# KiCad board PC110.kicad_pcb (continued)
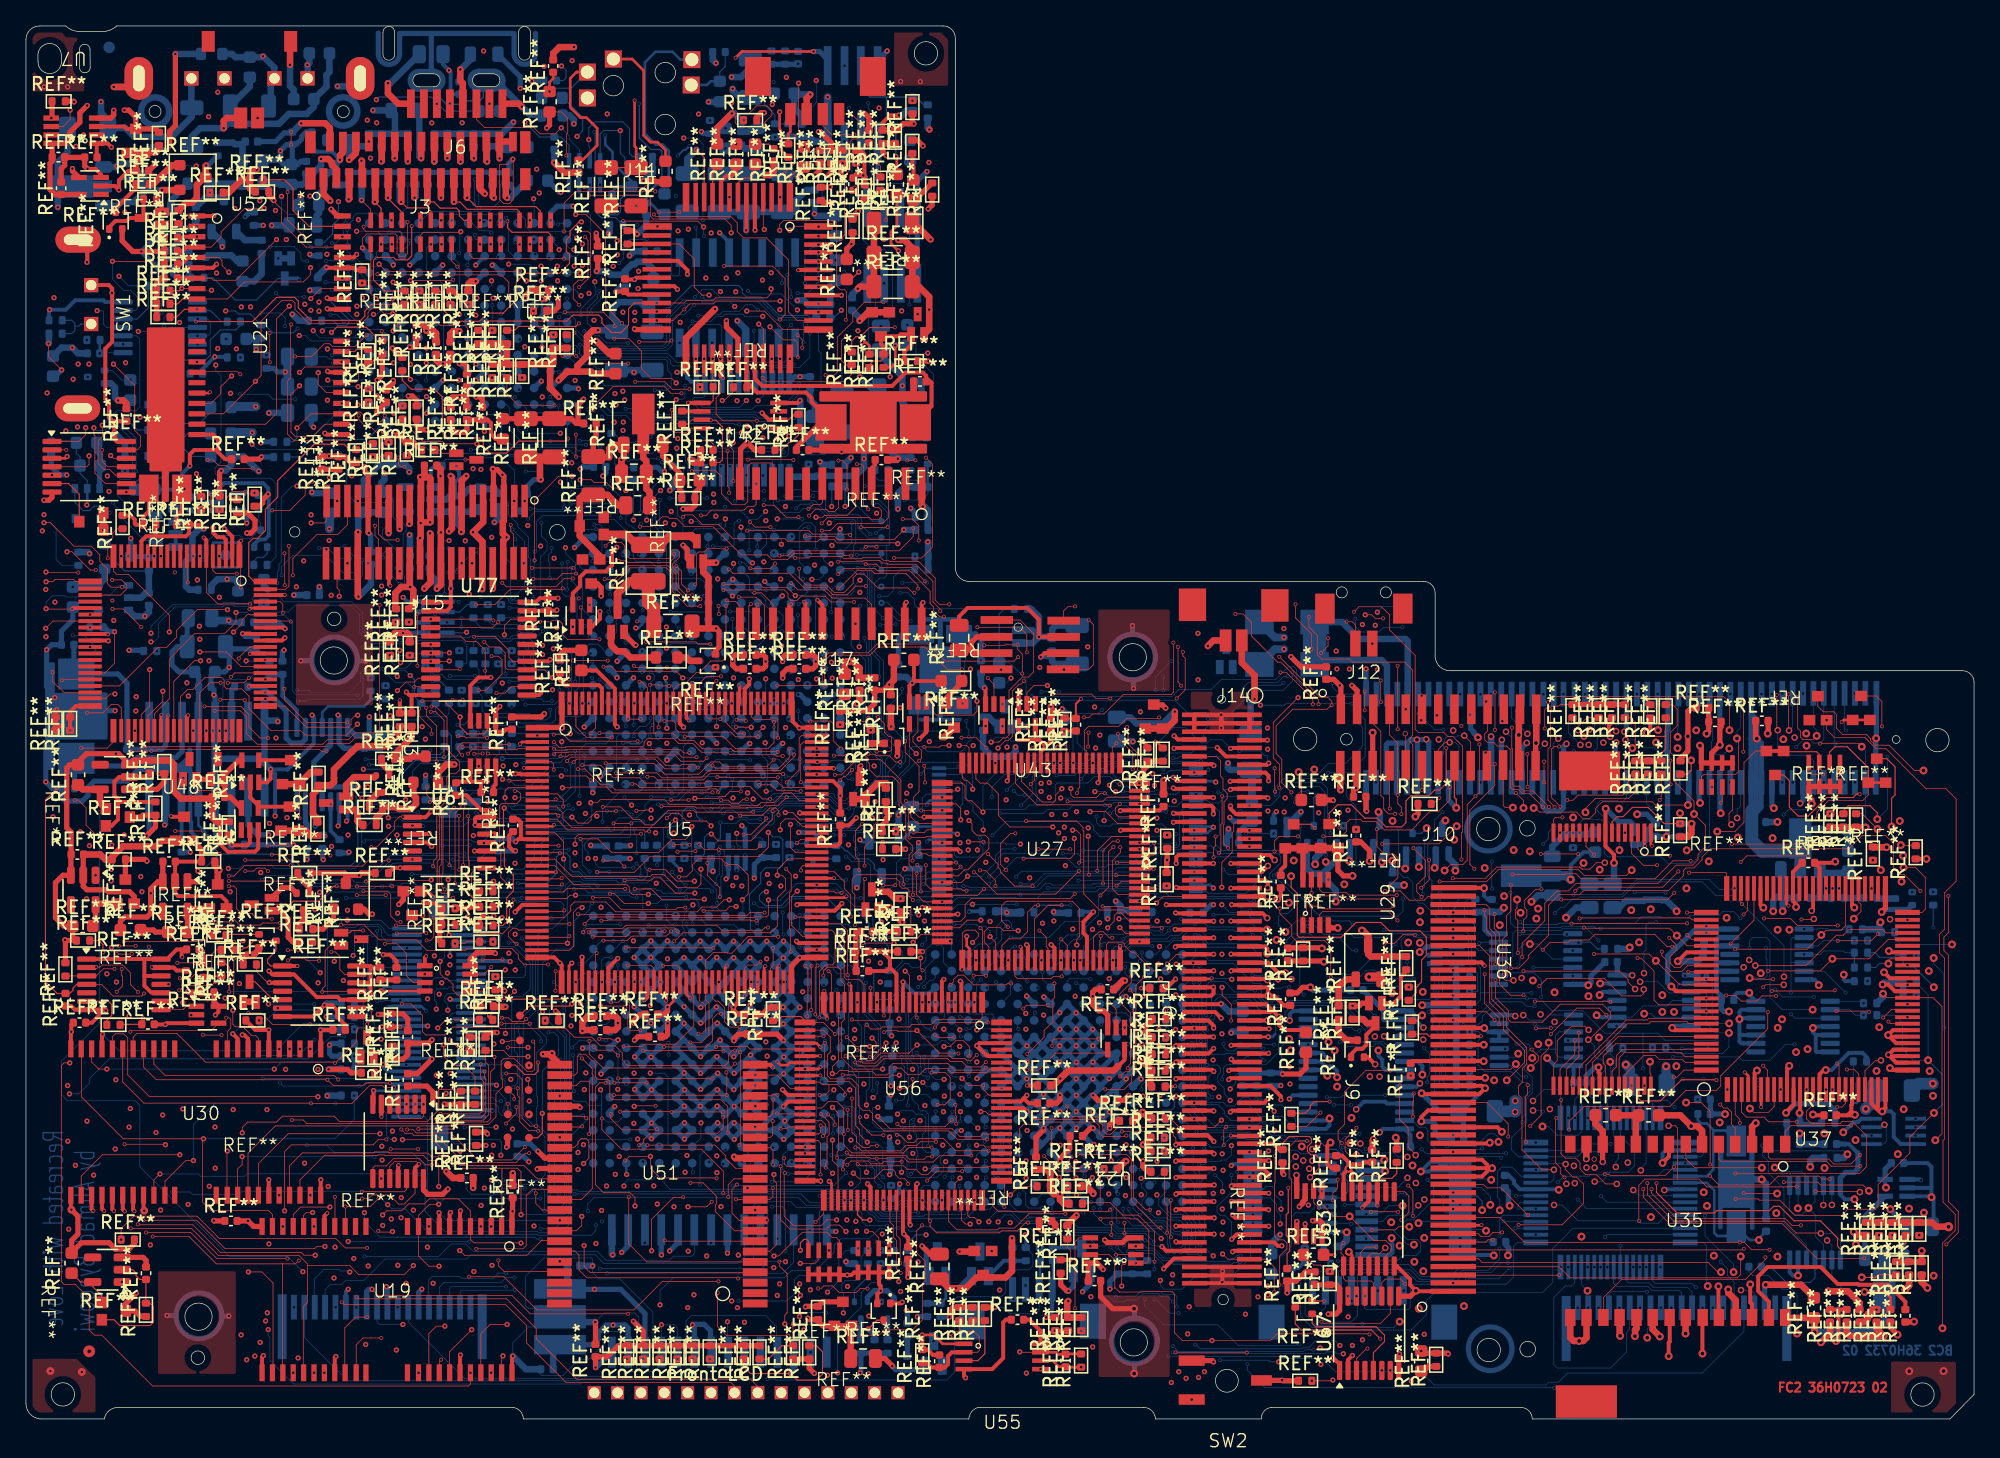
[diagram p0: board, top side]
## Routing (per net, layer and track width the routed paths; a pad name or vN(x,y) marks a point on that pad's centre or on a via; arc(x,y) is an arc through that point) (continued)
(no net): length 21552.3
  FC2 w0.05: v2(21.88,30.41) 18.98,30.41 18.11,31.28 v2(17.13,31.28) ; v2(74.02,21.55) 71.73,21.55 71.08,22.2 66.09,22.2 65.2,23.09 65.2,23.55 64.96,23.79 64.45,23.79 64.1,24.14 64.1,25.71 63.6,26.21 61.98,26.21 61.73,26.46 61.73,28.05 61.95,28.27 61.95,29.44 61.43,29.96 U56.27 ; U77.19 39.72,59.69 v1(39.79,59.61) ; U56.51 61.45,15.82 v2(60.82,15.19) ; v2(138.43,49.67) 137.56,49.67 137.32,49.91 REF**#144.4 ; v2(47.11,52.23) 41.91,52.23 41.4,52.74 v2(40.65,52.74) ; v2(73.92,27.07) 73.73,26.88 71.52,26.88 71.01,27.39 66.78,27.39 66.53,27.14 66.53,26.73 66.31,26.51 65.46,26.51 65.2,26.77 63.41,26.77 63.33,26.85 62.66,26.85 62.42,26.61 v1(62.11,26.61) 62.11,27.14 62.6,27.63 62.6,32.06 U56.23 ; v2(41.26,41.68) 41.2,41.62 U5.24 ; REF**#160.10 6.89,72.73 6.44,73.18 6,73.18 5.56,73.62 5.56,75.38 5.88,75.7 v1(5.88,76.58) ; v2(64.89,51.25) 64.94,51.2 65.4,51.2 65.49,51.11 66.5,51.11 66.98,50.63 v2(67.34,50.63) ; v2(57.6,50.81) 57.09,50.3 53.75,50.3 53.42,50.63 52.76,50.63 51.82,49.69 49.19,49.69 48.35,50.53 v2(44.65,50.53) ; U5.11 40.93,48.17 41.38,47.72 v2(41.38,47.19) ; J10.11 113.72,54.58 v2(113.72,53.77) ; J10.23 112.43,50.44 v2(112.43,51.36) ; v2(88.18,14.01) v2(88.18,16.85) ; v2(23.51,35.99) 23.84,35.99 24.18,35.65 24.18,34.63 24.55,34.26 REF**#121.13 ; v2(8.04,29.84) 8.14,29.94 14.27,29.94 REF**#414.4 ; J10.17 105.03,47.06 v2(105.05,47.04) ; v2(34.53,60.28) 36.14,60.28 37.2,59.22 37.2,58.69 37.51,58.39 U77.17 ; v2(48.95,47.21) 51.5,47.21 51.63,47.08 55.54,47.08 55.59,47.13 56.74,47.13 56.89,47.28 57.96,47.28 v2(58.59,47.91) ; v2(87.39,14.74) 87.2,14.74 85.13,16.81 85.13,20.02 84.78,20.37 81.03,20.37 v2(81.01,20.39) ; v2(37.11,28.63) v1(38.67,28.63) ; v2(44.65,25.9) 44.19,25.9 43.86,25.57 43.86,18.06 44.46,17.46 46.5,17.46 46.91,17.05 v1(46.91,16.41) ; v2(37.55,40.01) 37.55,39.58 37.24,39.27 37.24,37.93 36.74,37.43 v2(34.87,37.43) ; v9(106.24,52.81) 106.28,52.77 J10.18 ; v2(63.87,27.48) 64.15,27.2 65.52,27.2 66.08,27.76 70.99,27.76 71.19,27.56 72.08,27.56 72.51,27.13 73.56,27.13 v2(73.93,27.5) ; v1(56.87,91.66) 56.79,91.74 U42.4 ; v2(68.32,39.99) 68.01,40.3 68.01,40.75 67.86,40.9 67.48,40.9 67.28,41.1 67.28,41.39 67.04,41.63 v2(65.83,41.63) ; v2(42.73,62.53) 42.77,62.49 REF**#233.2 ; v2(44.17,60.08) 41.7,60.08 41.33,60.45 41.33,61.28 41.06,61.55 40.54,61.55 40.42,61.43 v2(39.59,61.43) ; v2(27.65,36.62) 28.56,36.62 29.29,35.89 29.29,34.16 29.82,33.63 REF**#318.3 ; v2(56.89,39.02) 55.76,39.02 55.55,38.81 49.79,38.81 49.71,38.89 v2(42.52,38.89) ; U77.15 39.64,57.09 v1(39.68,57.13) ; v2(37.79,36.61) 37.72,36.61 37.18,37.15 37.18,37.5 37.47,37.79 37.81,37.79 37.92,37.68 39.3,37.68 U5.32 ; U56.30 59.95,28.51 55.76,28.51 55.56,28.71 53.19,28.71 v2(53.15,28.67) ; v2(49.92,66.66) 49.92,66.35 49.57,66 46.38,66 46.25,66.13 v2(45.65,66.13) ; v1(43.5,47.49) 44.01,47.49 44.25,47.73 49.19,47.73 49.55,47.37 54.17,47.37 54.31,47.23 55.02,47.23 55.07,47.28 56.4,47.28 56.61,47.49 57.62,47.49 58.38,48.25 58.98,48.25 59.56,47.67 U5.97 ; v2(33.62,51.78) 36.32,51.78 36.53,51.99 v2(37.2,51.99) ; v2(49.36,57.91) 46.96,57.91 v2(46.82,58.05) ; v1(64.75,14.46) 65.18,14.46 65.69,13.96 REF**#37.2 ; v2(64.27,94.21) 64.47,94.21 REF**#377.1 ; v2(20.17,36.13) 20.95,36.13 v2(20.97,36.11) ; v2(62.31,29.66) 62.31,29.67 61.42,30.56 U56.26 ; v2(132.08,42.93) 132.54,43.39 v2(137.26,43.39) ; v2(58.31,49.71) 58.27,49.75 52.68,49.75 52.18,49.25 48.64,49.25 48.4,49.49 v2(47.86,49.49) ; v2(53.45,40.23) 53.45,40.93 52.49,41.89 v2(52.49,42.84) ; v2(110.57,43.11) 110.57,45.16 110.65,45.24 110.65,51.85 110.3,52.2 110.29,52.2 109.91,52.58 109.53,52.58 109.2,52.91 107.25,52.91 107,53.16 107,58.84 105.03,60.81 105.03,61.97 104.41,62.59 102.68,62.59 v2(102.29,62.2) ; U56.83 73.7,21.96 73.51,21.77 71.93,21.77 71.34,22.36 66.56,22.36 v1(65.61,23.31) ; v2(45.06,32.11) 45.63,32.11 45.86,32.34 U5.46 ; v2(42.36,75.86) 42.36,74.17 v2(42.38,74.15) ; 82.77,16.68 82.74,16.68 82.74,18.64 82.39,18.99 82.39,19.03 82.38,19.04 82.38,19.5 82.13,19.75 81.66,19.75 81.26,19.35 80.63,19.35 80.35,19.63 80.35,20 v2(80.53,20.18) ; 82.77,16.68 81.92,16.68 81.83,16.59 REF**#134.2 ; 82.77,16.68 83.5,16.68 84.47,15.71 85.67,15.71 86.93,14.45 v2(86.93,12.12) ; v2(45.91,84.46) 44.63,85.74 44.63,90.93 44.42,91.14 44.42,91.53 43.13,92.82 v1(42.34,92.82) ; 43.86,55.15 43.86,53.22 v2(43.48,52.84) ; v5(107.04,20.33) 107.04,20.37 106.46,20.95 106.46,22.44 105.81,23.09 v2(105.81,25.7) ; v2(11.66,35.15) 12.97,35.15 v2(12.98,35.16) ; J15.33 28.79,65.91 v2(28.79,65.32) ; v2(103.49,6.51) 103.44,6.56 96.36,6.56 95.84,6.04 v1(91.35,6.04) 89.07,6.04 88.48,6.63 88.48,9.61 88.28,9.81 86,9.81 85.97,9.78 84.22,9.78 83.87,10.13 83.87,10.07 83.87,12.23 83.44,12.66 U22.7 ; 106.46,14.75 106.47,14.76 ; v2(99.58,16.28) 99.18,16.68 REF**#320.2 ; v1(64.98,28.7) 63.94,28.7 v2(63.22,29.42) ; v2(53.26,49.47) 53.29,49.44 v2(57.91,49.44) ; v1(50.59,57.11) 50.08,57.62 45.46,57.62 45.11,57.97 v2(44.49,57.97) ; v2(14.01,32.33) 12.51,32.33 12.36,32.48 11.62,32.48 11.33,32.19 REF**#124.9 ; v2(107.47,3.69) 107.66,3.69 ; v1(57.18,45.2) 57.18,44.06 56.48,43.36 48.09,43.36 46.86,42.13 v2(44,42.13) ; v3(115.35,47.08) 115.35,47.65 v2(114.76,48.24) ; v2(56.74,80.24) 57.05,79.93 63.01,79.93 63.6,80.52 REF**#282.1 63.18,81.21 62.82,81.57 62.82,83.1 v2(63.18,83.46) ; J12.2 102.4,61.19 102.14,61.45 v2(101.72,61.45) ; v2(28.85,38.31) 28.55,38.31 28.1,38.76 28.1,40.42 27.85,40.67 v2(25.99,40.67) ; 66.26,48.63 REF**#127.2 ; REF**#173.3 25.76,36.91 v2(25.4,36.91) ; v2(52.88,50.36) 53.09,50.15 57.98,50.15 58.8,50.97 v2(58.8,51.66) ; U29.7 99.01,40.56 v2(99.03,40.54) 98.92,40.54 98.64,40.26 98.64,39.21 98.36,38.93 U29.1 ; v2(80.8,8.52) 80.8,13.65 81.11,13.96 U22.5 ; U42.36 56.79,84.02 v1(56.44,84.37) ; v1(3.4,100.86) 3.4,100.13 2.87,99.6 U7.6 ; v2(126.94,19.43) 126.27,18.76 122.05,18.76 121.94,18.87 v2(121.6,18.87) ; v2(27.14,14.5) 27.24,14.4 28.19,14.4 v1(28.23,14.44) ; v2(43.35,37.52) 46,37.52 46.32,37.84 49.93,37.84 v2(50.2,37.57) ; v2(18.94,43.49) 23.38,43.49 v2(23.45,43.42) ; REF**#133.1 71.89,6.75 ; 71.89,6.75 71.59,6.75 v1(71.16,6.32) ; 71.89,6.75 73.01,6.75 73.42,6.34 73.42,5.27 73.29,5.14 U55.2 ; v1(48.19,12.96) 48.19,15.38 49.87,17.06 50.6,17.06 v2(50.62,17.08) ; v1(78.68,56.52) 77.64,56.52 77.1,55.98 REF**#58.2 ; v2(68.43,63.67) 68.31,63.67 67.94,64.04 65.62,64.04 64.55,65.11 64,65.11 63.71,64.82 63.71,64.38 63.01,63.68 62.27,63.68 61.69,64.26 60.11,64.26 59.56,64.81 v2(59.56,65.53) ; 17.98,47.19 17.89,47.28 REF**#254.4 ; U5.21 40.73,43.14 42.08,41.79 48.07,41.79 48.24,41.96 49.13,41.96 50.15,40.94 51.71,40.94 51.99,41.22 v1(51.99,42.36) ; v1(4.6,76.39) 4.6,75.85 4.08,75.33 REF**#160.1 ; v1(100.66,3) 100.6,2.94 v2(99.04,2.94) ; v2(82.76,15.42) 82.83,15.49 84.98,15.49 85.05,15.42 85.6,15.42 86.49,14.53 86.49,12.2 86.3,12.01 v2(85.48,12.01) ; v1(65.17,29.35) 65.48,29.04 65.48,28.64 65.12,28.28 64.63,28.28 64.49,28.42 v2(64.04,28.42) ; REF**#124.13 10.39,34.81 v2(9.69,34.81) ; v1(47.94,40.42) 46.7,40.42 46.47,40.65 46.47,40.99 46.29,41.17 42.21,41.17 40.75,42.63 U5.22 ; v2(35.9,42.47) U61.8 34.73,42.47 34.32,42.06 34.32,41.01 34.66,40.67 REF**#197.1 ; v2(80.06,15.81) 77.25,15.81 76.15,14.71 74.95,14.71 74.81,14.57 71.71,14.57 71.05,15.23 U56.70 ; REF**#130.2 123.66,50.71 123.41,50.46 123.41,48.49 123,48.08 119.56,48.08 119.16,47.68 v2(118.72,47.68) ; v2(106.87,43.98) 107.8,43.05 107.8,41.83 107.13,41.16 107.13,40.61 v2(107.5,40.24) ; REF**#4.5 38.72,26.1 v1(38.65,26.17) ; v1(36.69,29.08) 37.22,29.08 37.31,29.17 38.05,29.17 ; v1(13.24,38.52) 13.82,38.52 13.94,38.64 15.89,38.64 16.47,38.06 18.08,38.06 18.24,38.22 v2(19.58,38.22) ; v1(67.15,67.45) 67.09,67.51 62.5,67.51 62.23,67.78 61.13,67.78 60.95,67.6 58.72,67.6 58.48,67.84 54.45,67.84 53.35,68.94 52.1,68.94 51.37,69.67 50.76,69.67 v2(50.6,69.51) ; U53.3 102.79,12.82 103.22,13.25 v2(104.02,13.25) ; 48.36,55.15 48.36,52.85 48.48,52.85 ; v1(51.29,45.66) 51.29,45.16 50.79,44.66 49.75,44.66 48.75,43.66 45.11,43.66 44.07,44.7 v2(42.71,44.7) ; U43.1 76.57,61.57 77.62,60.52 77.62,57.58 77.21,57.17 76.75,57.17 75.72,56.14 75.72,52.71 75.48,52.47 75.25,52.47 74.94,52.16 v1(74.34,52.16) ; v2(80.46,12.29) 80.46,12.98 80.21,13.23 REF**#425.1 ; v2(39.18,66.15) 39.18,70.8 41.03,72.65 v1(42.05,72.65) ; v2(103.65,14.57) 105.48,14.57 105.72,14.81 v3(106.55,14.81) ; v2(49.71,47.7) 51.03,47.7 v2(51.04,47.71) ; v2(64.06,19.63) 64.19,19.63 64.31,19.51 67.61,19.51 67.88,19.24 68.55,19.24 68.97,18.82 69.45,18.82 70.01,19.38 74.04,19.38 74.12,19.46 U56.78 ; v2(75.36,16.35) 75.36,18.15 U56.76 ; v2(97.99,44.9) 96.51,44.9 96.17,44.56 v2(96.17,43.74) ; J15.40 23.14,65.97 v2(23.14,67.03) ; v2(108.89,41.42) 108.91,41.4 112.49,41.4 113.43,42.34 119.57,42.34 120.03,41.88 123.27,41.88 v3(123.68,42.29) ; v2(56.48,48.87) 57.41,48.87 57.83,48.45 59.23,48.45 59.29,48.39 v2(59.67,48.39) ; v2(25.49,40.37) v2(27.71,40.37) ; v1(13.5,37.9) 15.36,37.9 v2(15.43,37.83) ; v2(13.24,48.41) 13.27,48.44 v2(14.81,48.44) ; v2(17.47,73.25) 15.69,73.25 15.46,73.48 14.83,73.48 14.4,73.91 v2(13.99,73.91) ; U56.53 62.55,19.48 62.12,19.91 v1(62.12,21.49) ; 52.36,55.15 52.36,54.19 52.6,53.95 53.47,53.95 v2(53.49,53.93) ; U5.42 43.86,35.8 v2(43.96,35.9) ; v2(41.86,37.2) 41.78,37.12 U5.33 ; v2(35.93,45.02) 35.54,45.02 U61.12 ; v2(32.9,87.79) 32.83,87.72 v1(29.62,87.72) ; v2(14.58,33.69) 14.28,33.39 12.21,33.39 11.85,33.03 v2(11.8,33.03) ; REF**#160.11 6.29,73.38 5.87,73.8 v2(5.87,74.67) ; v2(105.66,53.15) 105.66,58.03 v2(105.65,58.04) ; v2(71.12,62.78) 70.36,62.78 70.03,63.11 70.03,64.81 68.77,66.07 66.52,66.07 66.44,66.15 66.07,66.15 65.85,66.37 64.45,66.37 64.37,66.29 63,66.29 62.84,66.45 60.39,66.45 60.29,66.35 v2(59.25,66.35) ; v2(58.29,51.09) 57.78,51.09 57.65,51.22 54.19,51.22 54.03,51.38 52.04,51.38 51.37,52.05 50.28,52.05 49.88,52.45 47.9,52.45 47.61,52.16 47.61,51.93 47.48,51.8 41.6,51.8 41.54,51.74 41.08,51.74 v2(40.66,52.16) ; v2(57.91,51.41) 57.88,51.44 54.52,51.44 54.32,51.64 52.1,51.64 51.44,52.3 50.37,52.3 49.82,52.85 48.48,52.85 ; v3(130.27,45.27) 131.63,45.27 132.33,45.97 132.33,50.58 133.23,51.48 REF**#123.1 ; v2(45.46,46.85) 45.44,46.83 43.95,46.83 43.53,46.41 43.53,46.16 43.29,45.92 42.51,45.92 v1(42.05,46.38) ; v1(6.74,81.29) 8.38,79.65 8.38,76.18 8.82,75.74 8.82,74.93 8.57,74.68 REF**#160.13 ; REF**#16.3 141.91,48.09 141.48,47.66 138.84,47.66 137.95,46.77 v2(137.95,46.25) ; v2(18.64,42.22) 18.41,42.45 17.77,42.45 17.54,42.22 v2(16.89,42.22) ; v2(111.95,51.99) 111.95,48.29 v2(111.65,47.99) 111.01,47.35 111.01,43.05 110.69,42.73 109.73,42.73 v3(109.27,42.27) ; v2(56.02,46.79) 55.99,46.76 51.56,46.76 51.41,46.91 49.49,46.91 48.36,45.78 47.7,45.78 47.27,46.21 46.76,46.21 45.8,47.17 v2(44.43,47.17) ; U67.10 105.08,8.13 104.32,7.36 99.92,7.36 v2(99.78,7.5) ; U5.17 40.75,45.17 41.41,44.51 v1(41.41,43.16) ; U42.40 58.31,83.95 56.88,85.38 v1(55.52,85.38) ; v2(52.94,36.29) 52.92,36.31 v2(46.2,36.31) ; v2(50.99,63.85) 50.49,64.35 50.49,65.34 v2(50.1,65.73) ; v1(10.74,21.13) 10.7,21.17 v2(7.59,21.17) ; v1(6.52,74.24) 6.73,74.03 REF**#160.12 ; v2(56.89,60.36) 56.89,62.68 56.24,63.33 v2(54.91,63.33) ; J10.3 103.78,53.56 104.36,52.98 104.36,48.05 104.58,47.83 104.58,47.03 104.61,47 104.61,46.96 104.94,46.63 v2(105.46,46.63) ; v2(100,9.07) 99.97,9.1 ; v3(110.2,45.68) 108.84,44.32 v2(104.47,44.32) ; v2(67.94,18.11) 67.94,18.25 67.65,18.54 67.26,18.54 66.98,18.82 66.98,19.01 66.78,19.21 66.01,19.21 65.35,18.55 64.12,18.55 v1(63.73,18.94) ; v2(58.9,36.01) 58.9,37.69 58.8,37.79 58.8,40.54 58.94,40.68 58.94,41.98 v2(58.55,42.37) ; v1(13.13,72.84) 13.5,72.47 REF**#154.2 ; v2(106.82,48.52) 106.82,51.97 106.6,52.19 106.6,52.48 106.81,52.69 106.81,57.71 106.19,58.33 102.16,58.33 101.93,58.56 99.8,58.56 99.46,58.9 99.46,60.39 98.82,61.03 v2(98.82,61.81) ; v2(136.71,14.92) 136.03,14.92 135.5,15.45 127.15,15.45 125.21,17.39 v2(125.21,17.71) ; REF**#318.5 35.16,32.98 35.55,32.59 37.26,32.59 v1(37.63,32.96) ; REF**#299.1 50.97,76.66 51.31,77 REF**#321.7 52.12,76.96 v2(52.76,76.96) ; v5(110.78,52.66) 111.28,52.16 J10.22 ; U29.6 99.66,40.77 99.86,40.57 101.7,40.57 101.9,40.37 v2(105.58,40.37) ; v2(130.96,32.64) 131.68,32.64 132.12,32.2 133.32,32.2 133.72,32.6 v2(134.8,32.6) ; U56.72 72.05,15.33 72.36,15.02 v1(72.73,15.02) ; U42.16 50.31,90.55 51.47,89.39 51.47,87.22 52.08,86.61 v1(52.62,86.61) ; v2(117.4,54.68) 117.44,54.64 117.44,51.85 117.23,51.64 117.23,47.69 v2(117.75,47.17) ; v1(42.3,44.29) 42.3,44.78 42.58,45.06 47.34,45.06 v2(47.38,45.1) ; v2(142.95,53.37) 142.95,55.29 142.53,55.72 REF**#406.2 ; J15.35 27.16,67.79 26.88,68.07 v2(26.88,68.84) ; 109.93,40.28 108,40.28 107.7,39.98 106.56,39.98 105.85,40.69 v2(104.68,40.69) ; v2(18.64,52.48) 18.03,52.48 17.17,53.34 17.17,54.29 16.55,54.91 v2(13.75,54.91) ; v2(67.33,12) 67.33,13.88 67.05,14.16 U56.62 ; v2(46.89,40.84) 48.17,40.84 48.97,40.04 52.24,40.04 v1(52.25,40.05) ; v1(1.74,82.88) 1.74,81.86 2.75,80.85 v1(2.75,80.84) ; v1(72.59,44.47) 73.73,44.47 v2(73.74,44.48) ; v2(104.15,18.76) 103.06,18.76 102.79,18.49 U53.12 ; v2(37.33,68.89) 37.33,68.41 37.56,68.18 J15.22 ; J17.3 61.38,99.65 62.06,98.97 v2(63.81,98.97) ; v2(14.25,71.24) 14.25,69.97 14.83,69.39 15.27,69.39 15.44,69.56 15.44,70.97 15.93,71.46 v2(16.91,71.46) ; v2(96.54,48.65) 96.54,50.46 96.07,50.93 96.07,53.68 v1(97.98,55.59) ; REF**#160.2 v2(3.11,74.68) ; v2(58.03,12.12) 58.03,11.79 58.63,11.19 58.63,8.22 58.62,8.21 58.62,8.16 58.45,7.99 v1(58.45,7.33) ; v5(109.66,52.14) 109.32,52.14 108.78,51.6 J10.20 ; v2(49.69,37.57) 49.34,37.22 46.81,37.22 46.79,37.2 46.64,37.2 46.3,36.86 v2(44.47,36.86) ; v3(142.61,45.46) 141.43,46.64 REF**#52.2 ; 38.6,61.64 37.36,61.64 36.85,61.13 v1(36.85,60.43) ; v2(100.79,12.63) 100.77,12.65 ; v3(141.4,51.81) 141.14,52.07 138.2,52.07 v2(138.18,52.05) ; v1(42.33,40.36) 41.9,40.36 41.66,40.12 U5.27 ; v2(52.88,48.29) 52.84,48.25 45.17,48.25 44.72,48.7 42.03,48.7 41.97,48.64 v1(41.32,48.64) ; v2(18.93,38.55) 17.79,38.55 17.48,38.86 17.48,38.9 17.43,38.95 16.96,38.95 16.81,39.1 16.45,39.1 16.21,39.34 16.21,40.86 16.01,41.06 v2(15.64,41.06) ; v1(103.16,61.97) 103.66,61.97 103.93,61.7 v2(104.53,61.7) ; 46.46,54.03 v2(46.38,53.95) 46.4,53.93 v2(47.35,53.93) ; v2(76.14,19.99) 76.11,19.96 U56.79 ; REF**#121.11 22.87,32.96 v2(22.82,32.91) 22.82,33.15 23.04,33.37 23.04,36.08 23.43,36.47 REF**#173.1 ; v1(28.61,56.13) 29.27,56.79 29.91,56.79 30.21,57.09 U77.10 ; v2(39.29,22.57) 38.81,22.57 38.21,23.17 38.21,26.16 37.75,26.62 v2(37,26.62) ; v1(4.86,74.22) 4.86,73.56 4.68,73.38 REF**#160.4 ; v2(31.18,61.64) 35.91,61.64 v2(36,61.54) ; v2(59.46,81.82) 59.46,82.92 59.22,83.16 58.32,83.16 v1(57.31,84.17) ; v2(27.24,62.73) 27.24,53.15 26.97,52.88 25.35,52.88 24.82,52.35 23.22,52.35 22.87,52 17.81,52 16.98,52.83 16.98,54.12 16.53,54.57 v2(14.53,54.57) ; v2(105.03,41.08) 105.67,41.72 105.67,43.22 105.37,43.52 104.65,43.52 104.06,44.11 v2(104.06,45.45) ; v2(61.43,29.5) 60.04,29.5 U56.28 ; v1(58.83,91.61) 59.12,91.9 U42.52 ; U77.18 39.66,59.04 v1(39.79,58.9) ; REF**#59.1 14.01,37.27 13.52,36.78 v2(7.53,36.78) ; v2(43.67,40.17) 44.95,40.17 45.85,39.27 50.07,39.27 50.21,39.41 v2(50.79,39.41) ; v2(74.67,41.08) 74.67,41.51 73.9,42.28 v2(73.49,42.28) ; v2(52.2,39.16) 53.88,39.16 54.21,39.49 v1(54.7,39.49) ; v2(75.1,57.75) 75.08,57.77 U43.4 ; v2(41.02,44.18) 40.99,44.21 39.39,44.21 ; v2(77.57,23.22) 77.72,23.07 82.5,23.07 82.95,22.62 82.95,22.24 83.24,21.95 83.57,21.95 84.08,22.46 88.44,22.46 v2(88.81,22.09) ; REF**#185.2 68.7,52.95 68.32,52.57 68.32,52.18 68.97,51.53 68.97,50.9 v2(68.8,50.73) ; U5.25 41.22,41.12 v2(41.29,41.19) ; J15.20 23.16,69.24 22.97,69.05 v1(21.97,69.05) ; v2(44.64,67.29) 44.89,67.54 45.87,67.54 46.08,67.33 46.08,66.74 46.52,66.3 49.56,66.3 49.62,66.37 49.62,66.82 49.77,66.97 50.17,66.97 50.33,66.81 50.33,66.41 49.81,65.89 49.81,65.64 50.27,65.18 50.27,64.06 50.81,63.52 v2(51.31,63.52) ; v1(58.06,91.6) 58.06,92.06 58.35,92.35 62.29,92.35 62.45,92.19 62.45,87.3 62.73,87.02 63.05,87.02 63.2,86.87 63.2,84.76 v2(63.15,84.71) ; v2(15.63,41.45) v2(20.53,41.45) ; v2(42.13,58.45) 44.8,58.45 v2(44.81,58.44) ; v2(77.53,41.07) 77.52,41.06 76.15,41.06 75.06,42.15 75.06,42.32 74.87,42.51 74.87,42.77 v2(74.11,43.53) ; v2(51.11,79.35) 49.79,79.35 49.21,79.93 v2(46.93,79.93) ; v2(60.51,34.92) 60.48,34.89 v2(60.48,31.51) ; v3(114.53,47.11) 113.95,47.11 113.78,47.28 J10.24 ; v2(50.18,43.71) 50.23,43.76 v2(51.56,43.76) ; v1(59.64,11.99) 60.77,11.99 61.07,12.29 REF**#177.3 ; v2(15.06,29.58) 13.66,29.58 v2(13.63,29.61) ; v2(44.99,40.48) 45.33,40.48 46.08,39.73 v1(47.94,39.73) ; v2(43.65,37.17) 46.22,37.17 46.59,37.54 49.1,37.54 49.14,37.58 v2(49.19,37.58) ; v1(45.61,29.21) 45.13,29.21 45.04,29.3 v2(44.16,29.3) ; REF**#4.8 37.12,24.28 v2(37.11,24.29) ; v2(8.16,35.85) 8.13,35.82 v2(6.99,35.82) ; REF**#307.2 17.75,34.48 18.6,33.63 v1(18.74,33.63) ; v2(99.02,59.35) 99.02,60.5 97.79,61.73 v2(97.79,62.78) ; v2(107.53,48.48) J10.19 ; v2(43.5,49.22) 43.17,49.55 v1(41.24,49.55) ; v2(81.85,61.58) 82.21,61.22 82.21,58.11 81.87,57.77 U43.5 ; U56.71 71.55,18.17 v1(71.94,18.56) ; v2(126.81,36.39) 126.41,36.39 125.46,37.34 120.83,37.34 120.4,36.91 118.95,36.91 118.76,36.72 117.39,36.72 v2(116.83,36.16) ; v1(73.22,21.1) 73.76,21.1 73.9,20.96 U56.81 ; v2(101.49,13.56) 101.29,13.36 101.29,12.78 101.49,12.58 U53.1 101.49,10.81 101.67,10.63 103.61,10.63 103.79,10.46 U67.12 ; v2(69.79,20.23) 69.39,20.23 69.18,20.02 68.05,20.02 67.76,20.31 63.44,20.31 v2(63.22,20.53) ; U5.107 59.74,52.67 59.55,52.48 59.55,50.01 v2(58.6,49.06) ; REF**#346.3 33.87,73.92 v2(33.86,73.93) ; v1(42.83,35.58) 42.83,35.53 ; v1(41.23,99.5) 40.77,99.04 39.59,99.04 39.12,99.51 35.34,99.51 34.7,100.15 J6.3 ; v2(77.12,28.12) 78.42,29.42 78.42,29.93 79.1,30.61 79.1,32.34 79.22,32.46 v2(79.22,33.57) ; v5(138.25,14.3) 138.22,14.33 136.35,14.33 135.44,15.24 126.93,15.24 124.89,17.28 v2(124.89,18.17) ; v2(101.03,18.44) 101.03,17.79 100.66,17.42 v2(100.66,16.85) ; v2(74.46,17.16) 74.46,16.43 74.92,15.98 83.36,15.98 v2(83.52,16.13) ; v2(26.27,30.41) 26.59,30.73 26.59,31.53 26.46,31.66 REF**#121.9 ; v2(18.78,81.43) 18.78,83.66 v2(18.76,83.68) ; v2(48.08,56.57) 48.74,56.57 48.82,56.49 49.53,56.49 v2(49.54,56.48) ; U56.77 76.4,18.96 76.74,19.3 76.74,19.59 76.53,19.8 76.53,22.39 76.85,22.71 77.93,22.71 78.1,22.88 82.37,22.88 82.66,22.59 82.66,22.04 82.92,21.78 84.7,21.78 v2(84.76,21.84) ; v2(47.3,68.76) 48.24,68.76 49,69.52 49.45,69.52 49.57,69.4 50.13,69.4 50.77,68.76 52.93,68.76 55.1,66.59 57.1,66.59 57.46,66.23 58.66,66.23 59.13,66.7 62.89,66.7 63.06,66.53 v2(63.56,66.53) ; v2(78.71,31.88) 77.07,31.88 v2(76.82,31.63) ; U5.30 41.43,38.62 41.97,39.16 41.97,39.23 41.96,39.24 41.96,39.55 42.25,39.84 44.66,39.84 45.42,39.08 51.71,39.08 52.08,39.45 53.21,39.45 53.77,40.01 v1(54.17,40.01) ; REF**#177.1 62.67,13.73 62.42,13.97 62.11,13.97 61.69,14.39 59.81,14.39 57.98,12.56 v1(57.62,12.56) ; v2(41.47,39.19) 41.4,39.12 U5.29 ; v2(31.24,54.9) 31.57,54.9 32.43,54.04 32.43,51.59 33.38,50.64 33.38,50.01 33.11,49.74 32.67,49.74 32.42,49.49 32.42,47.23 32.12,46.93 32.12,42.01 31.99,41.88 31.99,41.09 v2(32.26,40.82) ; v2(105.1,26.85) 105.08,26.87 103.22,26.87 101.55,25.2 101.55,22.69 101.07,22.21 101.07,21.54 v2(101.35,21.26) ; REF**#337.1 3.05,34.14 REF**#124.3 5.41,34.14 5.96,34.69 v2(6.82,34.69) ; U5.51 48.36,34.74 48.15,34.95 v2(46.34,34.95) ; v1(5.23,76.38) 5.23,75.85 5.31,75.77 5.31,72.89 6.12,72.08 REF**#160.9 ; v2(138.69,53.86) 138.69,53.12 139.29,52.52 141.64,52.52 142.51,51.65 143.27,51.65 146.32,48.6 147.85,48.6 148.67,47.78 148.67,41.44 147.78,40.55 147.78,37.74 147.38,37.34 147.38,35.91 147.78,35.51 147.78,21.58 147.66,21.46 147.66,16.71 148.6,15.77 148.6,14.53 147.62,13.55 v3(147.62,6.99) ; v2(57.7,65.92) 57.33,65.55 v2(55.79,65.55) ; REF**#150.1 41.24,100.72 41.73,100.23 41.73,99.1 41.63,99 v2(41.63,97.37) ; REF**#331.2 138.02,54.92 138.45,54.49 139.25,54.49 139.44,54.3 139.44,53.24 139.93,52.75 141.76,52.75 142.08,52.43 142.08,52.27 142.44,51.92 143.51,51.92 145.46,49.97 v3(146.16,49.97) ; v2(34.13,10.96) 36.8,10.96 39.36,8.4 46.82,8.4 49.02,10.6 v2(53.34,10.6) ; v2(48.73,53.3) 48.73,53.7 48.86,53.83 48.86,55.15 ; v2(59.68,49.07) 59.68,51.96 59.89,52.17 U5.106 ; U56.1 73.65,30.91 73.52,30.78 70.1,30.78 69.71,30.39 68.23,30.39 68.04,30.2 68.03,30.21 65.96,30.21 65.8,30.05 65.07,30.05 v2(64.76,30.36) ; v2(8.62,32.91) 8.04,33.49 8.04,34.39 7.45,34.98 5.91,34.98 5.9,34.97 5.86,34.97 5.72,34.83 v2(5.42,34.83) 4.72,34.83 REF**#124.2 ; U56.48 58.62,19.46 58.4,19.68 v2(58.4,20.09) ; v1(62.12,24.01) 62.59,23.54 62.59,20.69 62.48,20.58 v2(62.48,20.12) ; REF**#263.4 83.05,28.19 79.32,28.19 78.01,26.88 v2(77.12,26.88) ; v2(106.47,17.98) 106.83,17.62 v2(106.83,15.65) ; v2(42.9,37.51) 43.2,37.81 45.97,37.81 46.15,37.99 46.19,37.99 46.25,38.05 53.21,38.05 53.6,37.66 56.71,37.66 56.92,37.87 v2(57.15,37.87) ; v2(94.03,5.11) 94.01,5.13 v2(88.54,5.13) ; v1(53.63,78.49) 53.79,78.49 54.5,79.2 REF**#398.1 ; REF**#381.2 118.21,55.06 118.16,55.01 118.09,55.01 118.01,54.93 117.27,54.93 116.98,54.64 v2(116.98,53.21) ; v2(35.27,44.38) 35.45,44.38 U61.11 ; v2(30.52,55.33) 32.21,55.33 v1(33.44,54.1) ; v2(35.79,52.1) 33.57,52.1 33.28,51.81 33.28,51.48 v2(33.6,51.16) ; v2(9.64,89.2) 9.63,89.21 v1(6.66,89.21) ; v2(114.45,53.28) 114.45,51.68 114.49,51.64 114.49,48.91 114.63,48.77 115,48.77 115.37,48.4 116.08,48.4 v2(117.31,47.17) ; 47.9,55.15 47.86,55.15 47.86,56.35 47.41,56.8 v2(47.26,56.8) ; v2(41.01,46.5) 40.84,46.67 U5.14 ; v2(28.63,67.74) 27.61,67.74 27.16,68.19 J15.15 ; v2(62.69,49.21) 62.97,49.49 63.1,49.49 v2(63.63,50.02) ; v2(64.41,45.85) 63.89,45.33 63.89,43.38 64.16,43.11 v2(64.16,42.29) ; U5.20 41.09,43.65 v2(41.13,43.61) ; v2(72.55,16.86) 72.55,15.68 72.71,15.52 73.07,15.52 v1(73.4,15.19) ; REF**#391.2 144.45,44.18 v3(144.41,44.22) ; U5.10 37.15,48.67 36.9,48.42 v1(36.9,47.88) ; v2(99.83,17.56) 99.83,16.53 100.75,15.61 v3(101.96,15.61) 103.83,13.74 104.75,13.74 105.17,13.32 105.17,13 104.74,12.57 U53.6 ; v2(50.31,41.77) 50.86,41.77 51.32,42.23 51.32,42.68 51.81,43.17 53.54,43.17 53.95,42.76 v2(53.95,42.73) 54.82,42.73 55.63,41.92 55.63,40.46 v1(55.18,40.01) ; v2(106.24,10.41) 105.87,10.78 104.71,10.78 104.44,10.51 104.44,9.46 ; 9.01,30.5 REF**#194.1 ; v2(54.62,28.39) 54.39,28.39 54.13,28.13 54.13,27.51 53.86,27.24 46.36,27.24 45.93,27.67 45.93,28.21 45.38,28.76 44.24,28.76 43.58,29.42 42.24,29.42 41.57,30.09 36.53,30.09 36.42,30.2 32.86,30.2 32.26,29.6 30.8,29.6 30.53,29.86 30.53,31.12 29.66,31.99 v2(28.95,31.99) ; 4.02,90.88 4.73,90.17 ; v2(91.88,43.62) 92.04,43.78 92.04,45.81 92.13,45.9 v2(92.13,48.01) ; REF**#4.6 37.61,24.91 v2(37.61,24.66) ; REF**#65.1 99.19,11.86 99.71,11.86 100.21,11.36 v2(100.43,11.36) ; v2(22.05,72.24) 21.51,71.7 21.51,71.2 20.33,70.02 v2(18.97,70.02) ; v2(68.35,93.94) 68.48,93.94 ; v2(50.95,75.42) 52.65,75.42 52.92,75.15 REF**#176.2 ; v2(28.79,55.38) 28.8,55.37 ; v2(44.17,52.85) 48.48,52.85 ; v2(18.59,44.18) 20.11,44.18 v2(20.15,44.22) ; U5.15 40.93,46.17 41.71,45.39 47.57,45.39 47.68,45.28 v2(48,45.28) ; v2(84.61,14.31) v2(84.61,15.11) ; REF**#137.2 65.81,96.56 v2(65.6,96.77) ; v1(59.26,63.45) 58.63,64.08 56.78,64.08 56.55,64.31 53.77,64.31 v2(53.72,64.36) ; v2(108.87,47.87) 108.4,47.4 REF**#182.2 ; U56.93 74.26,26.96 74,26.7 71.26,26.7 70.95,27.01 69.31,27.01 68.86,26.56 67.9,26.56 67.42,27.04 v2(66.93,27.04) ; U53.8 106.19,17.51 106.52,17.18 106.52,15.92 v2(105.94,15.34) ; v2(126.68,48.9) 126.66,48.92 v2(126.66,50.74) ; v2(36.37,61.41) 35.95,60.99 U77.4 ; REF**#414.1 12.36,31.8 12.16,31.6 12.16,31.59 12.11,31.54 REF**#124.8 ; v2(12.73,31.12) 13.1,31.12 REF**#414.2 ; v2(49.36,46.3) 49.74,46.68 50.29,46.68 50.89,46.08 52.4,46.08 v1(52.77,45.71) ; v2(45.26,45.9) v2(46.63,45.9) ; v2(53.3,48.29) 53.3,48.41 53.16,48.55 52.58,48.55 52.5,48.47 45.39,48.47 44.95,48.91 44.23,48.91 43.06,50.08 v2(42.52,50.08) ; v2(29.15,73.38) 28.86,73.38 28.68,73.56 v2(28.68,74.09) ; v1(74.62,8.61) 74.61,8.6 ; v2(55.78,59.63) 55.68,59.73 55.68,62.64 v2(55.84,62.8) ; v2(34.64,62.75) 36.11,62.75 37.3,63.94 41.27,63.94 v2(41.34,64.01) ; v2(25.63,77.34) 25.63,77.03 26.15,76.51 26.51,76.51 27.3,75.72 27.3,74.99 v2(27.43,74.86) ; v2(58.13,19.47) 58.12,19.46 58.12,15.36 58.85,14.63 61.65,14.63 61.96,14.94 62.67,14.94 v1(63.16,14.45) ; v2(115.87,22.57) 116.7,23.4 116.7,27.96 117.29,28.55 v3(117.29,29) ; v2(115.35,32.65) 114.35,32.65 113.48,33.52 113.48,37.4 113.1,37.79 113.1,38.88 v2(113.12,38.9) ; v2(70.43,62.26) 70.43,62.4 69.86,62.97 69.86,64.54 68.53,65.87 66.37,65.87 66.29,65.95 65.98,65.95 65.76,66.17 64.53,66.17 64.42,66.06 v2(62.56,66.06) ; v2(61.61,19.37) 61.61,19.72 61.7,19.81 61.7,21.74 61.86,21.9 61.86,22.87 v2(61.23,23.5) ; v2(59.7,42.27) 59.7,42.51 59.86,42.67 U5.87 ; v1(46.85,24.09) 46.89,24.13 v2(48.5,24.13) ; v2(59.16,51.19) 59.16,51.02 58.11,49.97 52.59,49.97 52.03,49.41 48.96,49.41 48.58,49.79 v2(45.45,49.79) ; U5.13 40.89,47.17 41.36,46.7 41.36,46.26 42.04,45.58 49.45,45.58 v1(50.03,46.16) ; v2(46.16,40.86) 46.15,40.87 41.66,40.87 41.41,40.62 U5.26 ; v2(83.6,14.18) v2(83.6,15.11) ; v2(80.81,62.62) 80.28,62.62 79.93,62.27 U43.8 ; v1(51.49,41.45) 50.13,41.45 49.25,42.33 v2(48.03,42.33) ; v3(114.76,27.35) 114.34,26.93 109.93,26.93 ; v1(69.52,81.51) 69.51,81.52 ; v2(36.69,64.44) 37,64.13 40.82,64.13 41.46,64.77 v2(42.13,64.77) ; v2(66.26,92.41) 66.26,93.23 65.81,93.68 REF**#137.1 ; v2(35.37,57.66) 35.37,59.25 34.71,59.91 33.9,59.91 33.48,60.34 U77.5 ; v2(72.06,52.5) 73.2,52.5 v2(73.98,51.72) ; v2(45.68,71.74) 45.14,71.74 44.72,72.16 43.77,72.16 43.55,72.38 v1(42.69,72.38) ; 4.73,89.17 v1(4.7,89.14) ; v2(51.11,44.25) 49.93,44.25 v2(49.89,44.21) ; v2(30.15,62.06) v2(30.15,58.04) ; v2(41.88,57.81) 41.84,57.77 v2(41.84,56.98) ; 106.98,20.32 106.98,20.27
  FC2 w0.08: REF**#440.1 105.58,18.91 105.21,18.54 104.37,18.54 v2(104.15,18.76) ; REF**#124.6 6.35,32.19 6.6,31.94 6.6,31.09 6.23,30.72 REF**#163.1 ; v2(56.16,98.24) 57.23,98.24 REF**#61.2 ; v2(15.65,32.93) 15.65,34.8 15.29,35.16 REF**#227.2 ; U55.3 73.32,4.49 73.86,5.03 REF**#433.1 ; REF**#393.2 5.61,36.87 5.93,36.55 v2(5.93,35.96) ; REF**#321.5 52.74,78.3 52.93,78.49 REF**#34.2 ; REF**#375.1 59.62,96.48 58.84,95.7 U42.1 ; REF**#194.1 7.29,30.41 REF**#163.2 ; REF**#121.1 18.85,34.91 18.61,35.15 18.61,35.42 19.25,36.06 REF**#235.3 19.24,36.86 17.56,36.86 17.01,36.31 16.79,36.31 16.63,36.15 REF**#172.2 ; REF**#59.2 15.47,37.34 17.94,37.34 REF**#235.1 ; v2(39.45,27.47) 39.45,26.81 39.19,26.55 38.4,26.55 37.68,27.27 REF**#4.4 ; v2(52.76,76.96) 53.14,76.96 53.64,76.46 53.64,73.91 53.44,73.71 REF**#324.2 ; REF**#9.2 97.14,12.74 97.34,12.94 97.34,13.86 97.07,14.13 97.07,15.73 97.23,15.89 v2(97.23,17.82) ; REF**#292.3 5.85,9.49 5.14,10.19 REF**#47.5 4.21,10.55 3.53,11.24 REF**#81.1 ; REF**#350.2 100.38,46.68 101.03,47.33 102.09,47.33 103.12,46.3 104.08,46.3 104.75,45.63 105.97,45.63 106.29,45.95 106.29,47.63 106.69,48.03 108.06,48.03 108.5,48.47 108.89,48.47 109.39,48.97 109.39,51.68 v2(109.4,51.69) ; v2(104.31,6.18) 103.63,6.86 98.23,6.86 97.77,7.32 REF**#267.3 ; v2(29.71,91.93) 29.71,89.63 29.41,89.33 28.49,89.33 28.31,89.51 26.99,89.51 26.77,89.29 26.77,87.78 27.63,86.92 REF**#278.2 ; v3(143.7,45.65) 143.7,47.83 143.97,48.1 143.97,50.25 143.33,50.89 REF**#16.2 ; REF**#173.2 24.93,37.47 25.1,37.64 v2(25.96,37.64) ; v1(59.65,13) 59.65,13.57 59.92,13.84 60.13,13.84 60.27,13.71 REF**#177.4 ; REF**#372.1 13.7,34.12 15.02,34.12 REF**#227.1 ; 38.75,21.67 39.42,21.67 39.77,22.02 v1(39.77,23.55) ; 12.44,37.56 REF**#438.2 ; 15.31,49.26 REF**#341.1 15.27,49.4 ; REF**#321.1 59.45,76.35 REF**#131.1 59.5,75.83 58.93,75.26 58.77,75.26 58.18,74.67 REF**#112.2 ; 99.97,9.1 REF**#267.2 ; v1(23.53,83.73) 23.94,84.14 26.21,84.14 26.9,83.45 26.9,81.69 26.61,81.4 REF**#411.1 26.36,81.39 ; 38.05,31.1 38.77,31.82 41.87,31.82 v1(42.03,31.98) ; U42.7 54.84,95.25 55.22,95.63 55.76,95.63 56.16,96.03 REF**#94.1 ; v1(36.84,47.08) 36.78,47.02 36.78,44.05 36.85,43.98 36.85,42.6 37.54,41.91 37.54,40.69 37.03,40.18 37.03,38.33 36.73,38.03 REF**#214.2 ; 126.3,52.6 125.11,52.6 v3(124.84,52.87) ; 126.3,52.6 REF**#116.1 ; 126.3,52.6 126.3,51.63 125.95,51.28 REF**#89.2 ; U67.5 103.79,5.11 104.64,5.96 104.64,6.46 103.99,7.11 99.32,7.11 99.07,7.36 REF**#267.1 ; REF**#123.3 135.44,51.42 137.92,51.42 138.12,51.22 REF**#144.3 ; 138.93,50.59 138.93,51.39 139.34,51.8 140.29,51.8 141.91,50.18 REF**#16.3 ; 80.01,53.02 v2(79.98,52.99) ; REF**#121.5 19.02,32.31 17.63,33.7 REF**#105.3 ; REF**#313.2 5.36,38.21 ; U42.11 52.24,97.23 v1(51.65,97.82) ; v3(128.26,50.75) 128.26,49.98 127.97,49.69 REF**#293.1 ; REF**#358.2 66.06,81.75 65.84,81.53 65.26,81.53 64.96,81.23 REF**#132.1 ; REF**#330.2 35.97,39.71 35.64,40.04 34.54,40.04 34.02,40.56 34.02,42.29 34.13,42.4 34.13,43.05 34.07,43.11 v2(34.07,46.46) ; REF**#215.2 98.97,45.83 v2(99.28,45.52) ; v2(141.24,48.15) 140.99,48.15 140.73,47.89 138.7,47.89 137.27,46.46 136.51,46.46 135.82,47.15 135.82,49.2 135.39,49.63 REF**#123.2 ; REF**#310.2 31.87,86.92 32.13,86.66 32.13,85.49 33.03,84.59 34.92,84.59 35.55,85.22 36.75,85.22 36.76,85.22 37.77,86.23 37.77,87.63 38.43,88.29 41.11,88.29 41.86,89.04 41.86,89.73 41.62,89.97 41.62,90.88 41.91,91.17 41.91,91.55 42.61,92.25 v1(42.78,92.25) ; 52.05,77.68 REF**#321.6 ; v3(142.6,46.22) 142.6,46.7 142.04,47.26 140.37,47.26 139.99,46.88 REF**#29.2 ; 68.36,95.5 REF**#291.2 ; 3,97.22 REF**#374.2 ; v3(98.03,49.85) 98.23,49.65 REF**#119.1 ; 63.22,87.82 63.58,87.82 v1(64.14,88.38) ; 20.83,40.52 REF**#332.2 ; U56.26 60,30.7 59.69,31.01 58.22,31.01 57.9,30.69 REF**#284.1 ; REF**#47.2 8.22,11.5 8.49,11.23 8.49,11.02 8.76,10.75 REF**#268.1 9.24,10.74 REF**#362.2 9.56,8.92 9.82,8.66 9.82,7.46 9.55,7.19 7.23,7.19 6.78,7.65 REF**#292.1 ; REF**#160.6 3.28,72.08 4.11,71.26 REF**#195.2 ; REF**#153.1 102.06,28.1 ; REF**#387.1 6.41,91.84 ; U3.2 35.53,53.06 35.26,52.79 33.99,52.79 33.44,53.34 v1(33.44,54.1) ; 145.39,7.47 v3(145.43,7.5) ; 22.81,74.2 REF**#115.2 ; REF**#273.1 53.23,96.26 52.89,95.92 U42.10 ; 20.39,50.76 REF**#256.2
  FC2 w0.1: v2(17.84,100.26) 17.74,100.26 ; J10.21 110.03,47.9 110.17,47.76 v3(110.17,47.09) ; v1(64.87,6.93) 65.55,7.61 REF**#419.3 ; v2(47,93.49) REF**#245.1 ; v1(65,15.33) 64.46,15.33 64.05,15.74 U56.56 ; v2(63.83,94.9) 63.83,94.79 REF**#76.1
  FC2 w0.15: REF**#280.2 80.01,53.98 REF**#64.2 80.87,55.11 v2(81.26,55.5)
  FC2 w0.2: J11.3 46.69,104.8 47.58,103.91 47.58,98.92 48.1,98.4 48.64,98.4 49.26,97.78 REF**#146.2 ; J17.1 58.88,99.21 58.71,99.04 REF**#427.2 ; v2(61.18,28.67) 60.89,28.96 U56.29 ; v1(61.88,18.31) 62.05,18.14 U56.52 ; J11.4 42.41,103.8 41.92,103.31 41.92,101.08 42.71,100.29 43.17,100.29 44,99.46 44,98.15 42.86,97.01 REF**#122.2 ; v1(58.05,100.72) 58.05,99.38 58.15,99.28 58.15,97.8 REF**#427.1 ; v2(81.27,3.99) 80.1,3.99 REF**#325.1 79.55,4.02 79.08,4.49 U55.6 ; 100.77,12.65 REF**#65.2 ; REF**#358.1 66.65,81.04 66.96,81.35 v1(66.96,82.72) ; v3(141.62,9.79) 143.19,9.79 143.61,9.37 143.61,8.44 ; v1(42.04,35.13) 41.83,34.92 U5.38 ; REF**#406.1 REF**#406.3 140.01,53.87 v2(139.86,53.71) ; U5.41 43.35,32.47 v2(43.52,32.3) ; REF**#64.1 80.01,53.02 ; REF**#16.1 REF**#16.3 ; U5.23 39.37,42.14 v2(40.82,42.14) ; v2(40.33,102.3) 40.33,103.02 40.61,103.3 REF**#386.1
  FC2 w0.25: v2(51.06,53.83) 50.86,54.03 50.86,55.15 ; v2(51.34,56.72) 51.36,56.7 51.36,55.15